# Allegro board A733_PRO2_AXP318_LPDDR4_4X_200BALL_32X1_V1_1.brd (continued)
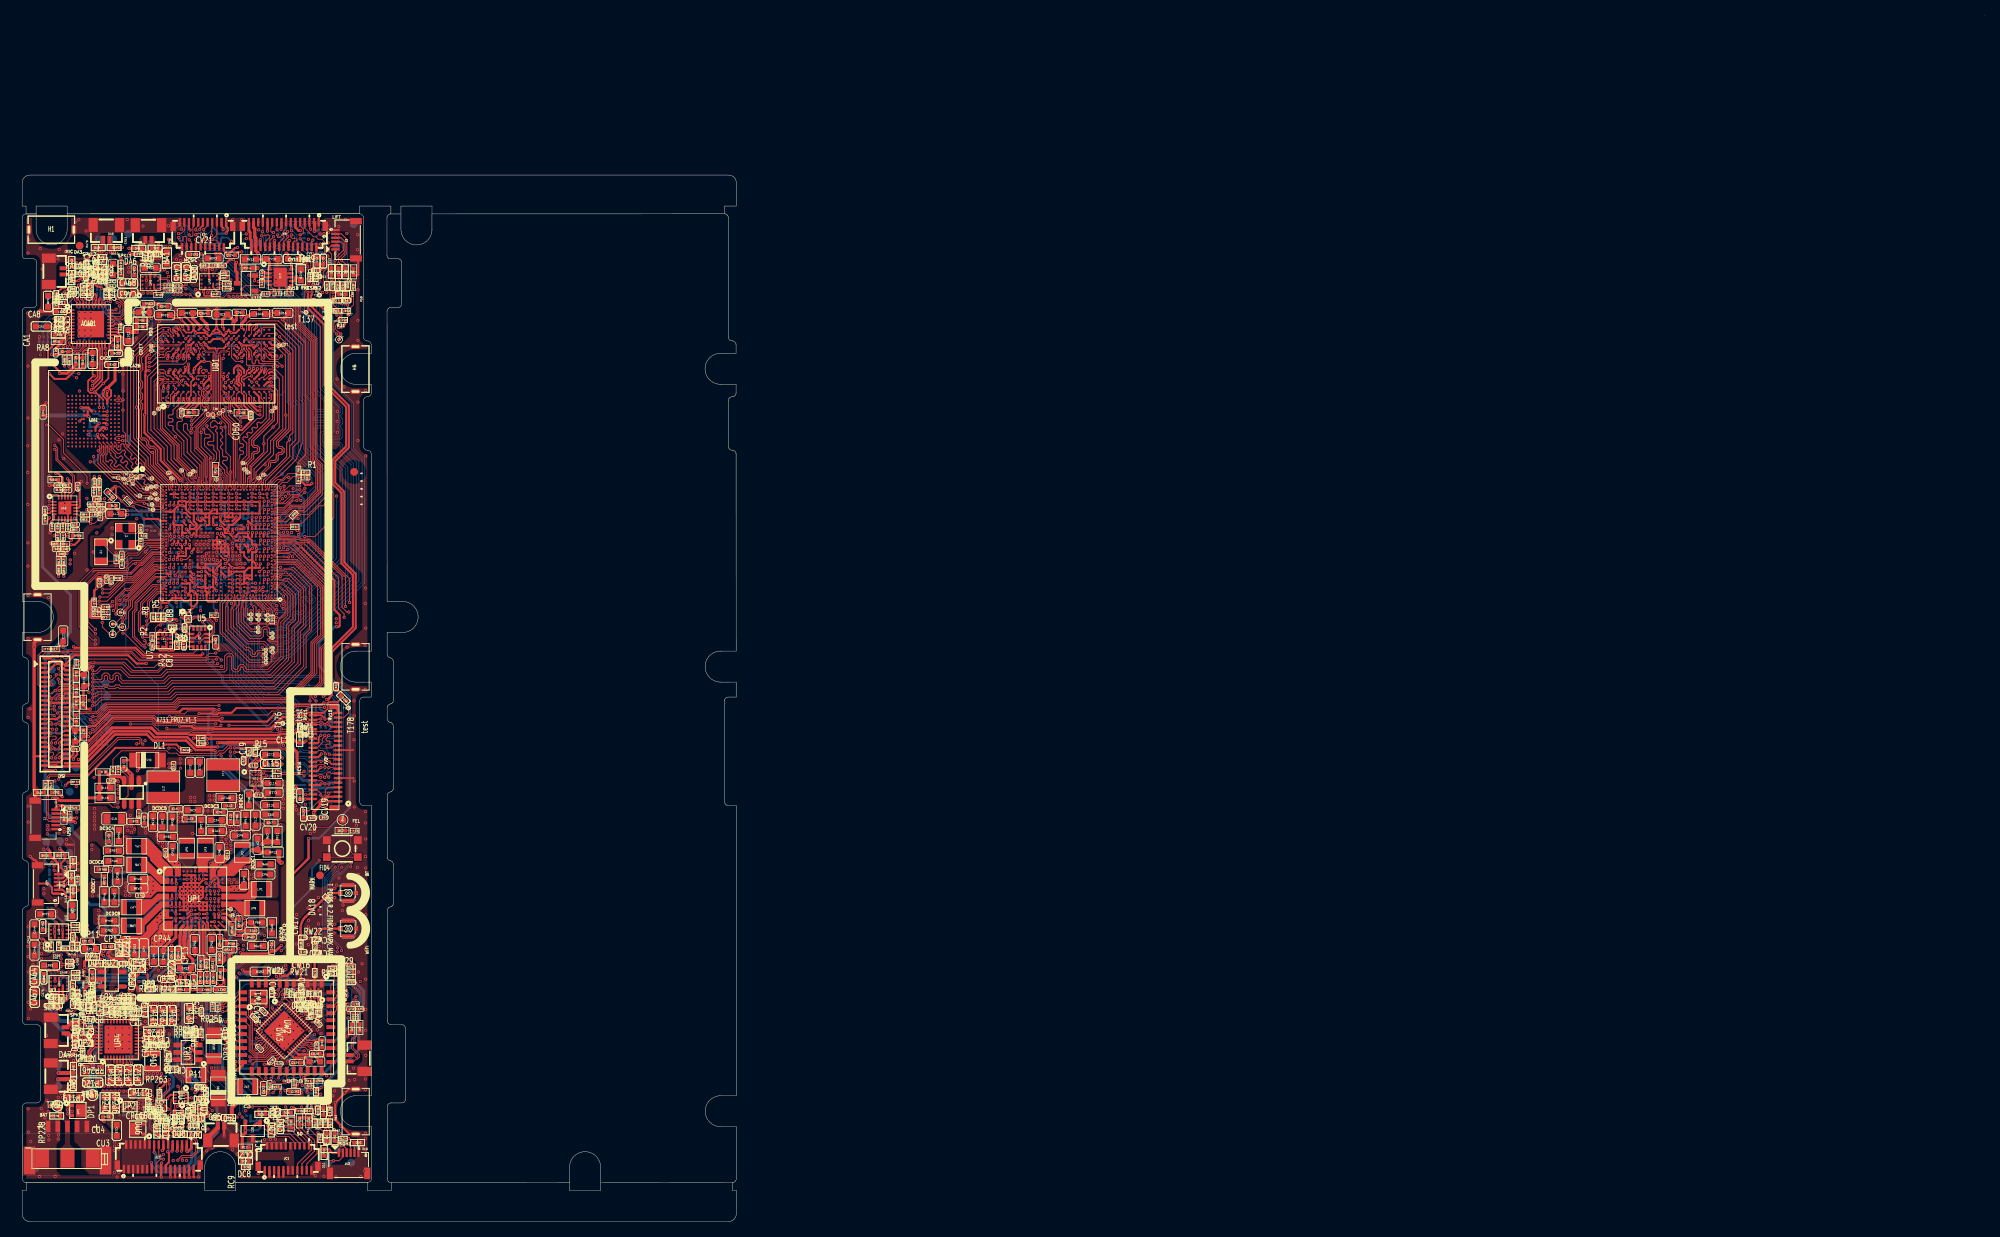
[diagram p0: board, top side]
## Routing (per net, layer and track width the routed paths; a pad name or vN(x,y) marks a point on that pad's centre or on a via; arc(x,y) is an arc through that point) (continued)
MCSIB-D2N: length 83
  TOP w0.076: U1.A12 28.05,80.28 28.05,79.55 27.83,79.34 27.83,79.18 27.91,79.11 27.91,79.09
  TOP w0.102: v1(32.41,127.61) 32.19,127.61 32.06,127.74 32.06,128.18 32.23,128.35 JV1.21 ; 27.91,79.09 27.91,77.15 29.52,75.54 30.68,75.54 30.8,75.67 30.8,76.44 31.11,76.74 31.63,76.74 31.9,76.48 31.9,75.82 31.99,75.73 32.14,75.73 v1(32.28,75.86)
  BOTTOM w0.102: T146.1 36.19,119.62 ; 36.19,119.62 36.19,121.78 34.76,123.21 34.76,123.63 35.17,124.04 35.17,124.21 35.05,124.33 34.88,124.33 34.47,123.92 34.05,123.92 33.16,124.81 33.16,125.23 33.35,125.43 33.35,125.59 33.23,125.71 33.07,125.71 32.87,125.52 32.45,125.52 31.9,126.07 31.9,126.98 31.9,126.99 31.9,126.99 31.9,127.1 v1(32.41,127.61) ; 36.19,119.62 36.19,119.3 37.37,118.12 37.37,118.11 37.68,117.8 37.68,107.15 39.91,104.91 39.91,102.1 39.77,101.96 38.71,101.96 38.41,101.66 38.41,100.47 41.69,97.19 41.69,83.39 41.51,83.2 41.34,83.2 40.81,83.73 40.39,83.73 40.09,83.43 40.09,83.01 40.62,82.48 40.62,82.32 40.5,82.2 40.33,82.2 39.81,82.72 39.39,82.72 39.09,82.42 39.09,82 39.61,81.48 39.61,81.31 39.49,81.19 39.32,81.19 38.8,81.72 38.38,81.72 38.08,81.42 38.08,81 38.6,80.47 38.6,80.3 33.94,75.64 32.5,75.64 v1(32.28,75.86)
MCSIB-D2P: length 83.1
  TOP w0.076: 27.6,79.09 27.6,79.11 27.68,79.18 27.68,79.4 27.9,79.62 27.9,80.28 U1.A13
  TOP w0.102: 27.6,79.09 27.6,77.02 29.39,75.24 30.8,75.24 31.11,75.54 31.11,76.31 31.24,76.44 31.51,76.44 31.59,76.35 31.59,75.69 31.86,75.42 32.18,75.42 v1(32.28,75.33) ; JV1.22 31.93,126.58 v1(32.41,127.06)
  BOTTOM w0.102: v1(32.28,75.33) 32.28,75.34 34.07,75.34 38.91,80.18 38.91,80.6 38.38,81.12 38.38,81.29 38.51,81.41 38.67,81.41 39.2,80.89 39.62,80.89 39.92,81.18 39.92,81.6 39.39,82.13 39.39,82.3 39.51,82.42 39.68,82.42 40.2,81.89 40.63,81.89 40.92,82.19 40.92,82.61 40.4,83.14 40.4,83.3 40.52,83.42 40.69,83.42 41.21,82.9 41.63,82.9 41.99,83.26 41.99,97.32 38.72,100.6 38.72,101.53 38.84,101.65 39.9,101.65 40.22,101.97 40.22,105.04 37.98,107.28 37.98,117.93 37.68,118.24 37.68,118.25 36.49,119.43 36.49,121.91 35.29,123.11 ; 35.29,123.11 35.38,123.2 T147.1 ; 35.29,123.11 35.07,123.34 35.07,123.5 35.48,123.91 35.48,124.33 35.18,124.63 34.76,124.63 34.35,124.22 34.18,124.22 33.47,124.94 33.47,125.11 33.66,125.3 33.66,125.72 33.36,126.02 32.94,126.02 32.75,125.83 32.58,125.83 32.21,126.2 32.21,126.86 v1(32.41,127.06)
MCSIB-D3N: length 83
  TOP w0.076: 28.53,79.19 28.53,79.21 28.45,79.28 28.45,79.86 28.57,79.99 U1.B11
  TOP w0.102: 28.53,79.19 28.53,77.49 29.59,76.43 30.3,76.43 30.43,76.55 v1(30.43,76.63) ; v1(30.88,127.19) 31.47,127.19 31.59,127.32 31.74,127.32 31.86,127.2 31.86,126.91 31.33,126.38 JV1.24
  BOTTOM w0.102: v1(30.88,127.19) 31.12,126.95 31.12,125.83 31.49,125.46 31.49,125.3 30.79,124.6 30.79,124.18 31.09,123.88 31.51,123.88 32.21,124.58 32.38,124.58 32.86,124.09 ; T148.1 32.86,124.09 ; 32.86,124.09 34.65,122.3 34.65,121.33 34.95,121.03 35.33,121.03 35.45,120.91 35.45,120.74 35.33,120.63 34.95,120.63 34.65,120.33 34.65,119.81 36.96,117.5 36.96,106.84 37.41,106.4 37.41,106.4 37.66,106.15 37.66,104.79 37.96,104.5 39.09,104.5 39.2,104.39 39.2,104.2 39.09,104.09 37.95,104.09 37.66,103.81 37.66,103.36 37.95,103.07 39.09,103.07 39.2,102.96 39.2,102.78 39.11,102.68 37.97,102.68 37.66,102.37 37.66,100.2 40.98,96.89 40.98,85.42 36.92,81.36 36.92,80.94 37.49,80.37 37.49,80.2 37.37,80.08 37.2,80.08 36.63,80.65 36.21,80.65 35.82,80.26 35.82,79.67 36.3,79.19 36.3,79.01 35.86,78.58 35.7,78.58 35.53,78.75 35.11,78.75 34.81,78.45 34.81,78.03 34.98,77.86 34.98,77.69 34.86,77.57 34.69,77.57 34.52,77.74 34.1,77.74 33.8,77.44 33.8,77.02 33.97,76.85 33.97,76.68 33.85,76.56 33.68,76.56 33.51,76.73 33.09,76.73 32.9,76.54 31.81,76.54 31.63,76.36 30.59,76.36 30.43,76.52 v1(30.43,76.63)
MCSIB-D3P: length 82.9
  TOP w0.076: U1.B12 28.42,80.55 28.42,80.05 28.3,79.92 28.3,79.28 28.22,79.21 28.22,79.19
  TOP w0.102: v1(30.43,76.06) 30.37,76.12 29.47,76.12 28.22,77.37 28.22,79.19 ; JV1.25 31.03,127.76 v1(30.97,127.7)
  BOTTOM w0.102: v1(30.97,127.7) 31.43,127.24 31.43,126.62 ; v1(30.43,76.06) 31.75,76.06 31.94,76.24 33.03,76.24 33.22,76.43 33.39,76.43 33.56,76.26 33.98,76.26 34.28,76.56 34.28,76.98 34.11,77.15 34.11,77.32 34.22,77.44 34.39,77.44 34.56,77.27 34.98,77.27 35.28,77.56 35.28,77.99 35.11,78.15 35.11,78.32 35.23,78.44 35.4,78.44 35.57,78.27 35.99,78.27 36.6,78.89 36.6,79.32 36.13,79.79 36.13,80.14 36.34,80.35 36.5,80.35 37.07,79.78 37.49,79.78 37.79,80.08 37.79,80.5 37.22,81.07 37.22,81.23 41.28,85.29 41.28,97.01 37.97,100.33 37.97,102.24 38.1,102.37 39.23,102.37 39.51,102.65 39.51,103.09 39.22,103.38 38.07,103.38 37.97,103.48 37.97,103.68 38.07,103.78 39.22,103.78 39.51,104.07 39.51,104.51 39.22,104.8 38.09,104.8 37.97,104.92 37.97,106.27 37.54,106.71 37.53,106.71 37.27,106.97 37.27,117.63 34.96,119.94 34.96,120.2 35.08,120.32 35.46,120.32 35.76,120.62 35.76,121.04 35.46,121.34 35.08,121.34 34.96,121.46 34.96,122.43 32.5,124.88 32.08,124.88 31.39,124.19 31.22,124.19 31.1,124.31 31.1,124.47 31.79,125.17 31.79,125.59 31.43,125.96 31.43,126.62 ; 31.43,126.62 T149.1
MCSIC-CKN: length 69.7
  TOP w0.076: U1.B7 29.94,80.56 29.94,80.2 31.11,79.02 31.11,78.74 31.19,78.66 31.19,78.64
  TOP w0.102: v1(31.64,78.23) 31.64,78.13 31.51,78 31.34,78 31.19,78.15 31.19,78.64 ; v1(22.38,127.32) 22.55,127.48 22.88,127.48 23.01,127.35 JV3.12
  BOTTOM w0.102: v1(22.38,127.32) 22.51,127.44 22.74,127.2 22.74,126.24 23.72,125.26 26.96,125.26 30.12,122.1 32.85,122.1 33.28,121.66 33.28,119.25 33.34,119.19 33.34,119.16 35.61,116.9 35.61,106.29 36.3,105.59 36.3,99.64 39.22,96.72 39.22,94.31 39.2,94.28 39.2,94.28 38.21,93.29 38.21,86.22 32.95,80.96 32.95,80.54 32.13,79.72 32.13,78.21 31.99,78.06 31.81,78.06 v1(31.64,78.23)
MCSIC-CKP: length 69.8
  TOP w0.076: U1.B8 29.78,80.79 29.78,80.13 30.96,78.95 30.96,78.74 30.89,78.66 30.89,78.64
  TOP w0.102: 30.89,78.64 30.89,78 31.26,77.63 v1(31.64,77.63) ; JV3.13 22.71,128.48 22.38,128.15 v1(22.38,127.95)
  BOTTOM w0.102: v1(31.64,77.63) 31.86,77.63 31.98,77.63 32.44,78.08 32.44,79.6 33.26,80.42 33.26,80.83 38.51,86.09 38.51,93.17 39.5,94.16 39.53,94.18 39.53,96.85 36.61,99.77 36.61,105.71 35.91,106.41 35.91,117.03 33.65,119.29 33.65,119.32 33.59,119.38 33.59,121.79 32.98,122.4 30.25,122.4 27.08,125.56 23.84,125.56 23.05,126.36 23.05,127.33 22.59,127.79 22.55,127.79 v1(22.38,127.95)
MCSIC-D0N: length 73.1
  TOP w0.076: 29.04,79.04 29.04,79.06 28.97,79.13 28.97,80.39 U1.A10
  TOP w0.102: 29.04,79.04 29.04,78.26 29.14,78.16 29.35,78.16 v1(29.5,78.31) ; v1(21.53,127.3) 21.53,127.26 21.71,127.08 21.89,127.08 22.02,127.21 22.02,128.31 22.11,128.4 JV3.15
  BOTTOM w0.102: v1(29.5,78.31) 29.56,78.25 29.74,78.25 29.86,78.37 29.86,79.42 31.59,81.15 31.59,82.15 32.42,82.98 32.42,83.3 33.04,83.92 34.01,83.92 36.79,86.7 36.79,93.9 37.8,94.92 37.8,96.11 34.86,99.06 34.86,105 34.18,105.68 34.18,116.29 32.32,118.16 31.15,118.16 26.1,123.21 22.46,123.21 19.41,126.26 19.41,128.19 19.95,128.73 20.96,128.73 21.28,128.41 21.28,127.56 v1(21.53,127.3)
MCSIC-D0P: length 73.1
  TOP w0.076: U1.B10 28.74,80.56 28.74,80.27 28.81,80.19 28.81,79.13 28.74,79.06 28.74,79.04
  TOP w0.102: v1(21.53,126.67) 21.81,126.4 JV3.16 ; v1(29.5,77.7) 29.35,77.86 29.02,77.86 28.74,78.14 28.74,79.04
  BOTTOM w0.102: v1(21.53,126.67) 21.53,126.76 20.98,127.32 20.98,128.28 20.84,128.42 20.07,128.42 19.72,128.07 19.72,126.39 22.59,123.52 26.22,123.52 31.28,118.46 32.44,118.46 34.49,116.42 34.49,105.8 35.16,105.13 35.16,99.19 38.11,96.24 38.11,94.79 37.09,93.78 37.09,86.58 34.13,83.62 33.17,83.62 32.72,83.17 32.72,82.85 31.9,82.03 31.9,81.03 30.17,79.29 30.17,78.25 29.78,77.86 29.65,77.86 v1(29.5,77.7)
MCSIC-D1N: length 69.4
  TOP w0.076: 29.91,79.47 29.9,79.48 29.79,79.48 29.61,79.66 29.61,80.56 29.37,80.8 U1.B9
  TOP w0.102: JV3.18 21.21,126.36 21.17,126.4 21.17,127 21.06,127.1 20.87,127.1 20.75,126.97 20.75,126.62 20.64,126.52 20.35,126.52 20.19,126.68 v1(20.19,126.96) ; v1(30.5,78.28) 30.5,78.18 30.4,78.08 30.25,78.08 30.15,78.18 30.15,79.23 29.91,79.47
  BOTTOM w0.102: v1(20.19,126.96) 20.26,126.96 20.39,126.83 20.39,126.44 22.87,123.96 26.35,123.96 31.45,118.87 32.62,118.87 34.89,116.6 34.89,105.98 35.59,105.28 35.59,99.34 38.51,96.42 38.51,94.61 37.5,93.6 37.5,86.52 32.19,81.22 32.19,80.84 30.96,79.61 30.96,78.54 30.97,78.53 30.97,78.23 30.84,78.1 30.68,78.1 v1(30.5,78.28)
MCSIC-D1P: length 69.3
  TOP w0.076: 29.69,79.25 29.68,79.27 29.68,79.38 29.46,79.59 29.46,80.3 29.44,80.32 29.44,80.33 U1.A9
  TOP w0.102: v1(30.5,77.68) 30.4,77.78 30.12,77.78 29.84,78.06 29.84,79.1 29.69,79.25 ; JV3.19 20.91,128.45 20.98,128.38 20.98,127.93 20.56,127.51 20.2,127.51 v1(20.16,127.47)
  BOTTOM w0.102: v1(30.5,77.68) 30.62,77.8 30.97,77.8 31.27,78.1 31.27,78.66 31.27,78.66 31.27,79.48 32.49,80.71 32.49,81.09 37.8,86.4 37.8,93.47 38.74,94.41 38.82,94.49 38.82,96.54 35.9,99.46 35.9,105.41 35.2,106.11 35.2,116.72 32.75,119.18 31.57,119.18 26.48,124.27 22.99,124.27 20.7,126.57 20.7,127 20.23,127.47 v1(20.16,127.47)
MIC1N-MIC: length 7
  TOP w0.102: RA101.1 42.65,25.62 DA2.2 42.92,25.02 42.92,24 42.48,23.56 42.48,22.31 43.26,21.53 43.26,21.27 43.15,21.16 43.05,21.16 42.75,21.46 JA1.2
MIC1P-MIC: length 7.3
  TOP w0.102: JA1.1 42.75,20.66 43.05,20.96 43.24,20.96 43.47,21.19 43.47,21.61 42.68,22.39 42.68,23.47 43.12,23.91 43.12,25.06 DA1.2 43.26,25.74 RA100.1
MIC2N/MIC3N: length 12.6
  TOP w0.102: UA1.39 7.46,118.68 v1(7.11,119.04) ; v1(10.78,120.86) 10.61,121.03 RA80.2 RA78.2
  L3 w0.102: v1(10.78,120.86) 10.78,122.44 11.2,122.86 11.75,122.86 11.91,122.7 11.91,120.48 11.24,119.81 7.8,119.81 7.55,119.56 7.55,119.48 v1(7.11,119.04)
MIC2N/MIC3N-1: length 0.7
  TOP w0.102: CA22.1 9.63,121.92 RA78.1
MIC2N/MIC3N-MIC: length 1.8
  TOP w0.102: RA103.1 7.1,122.19 DA4.2 JA2.2
MIC2P/MIC3P: length 12.7
  TOP w0.102: RA77.2 RA79.2 10.6,124.57 v1(10.9,124.88) ; UA1.37 8.26,118.93 8.15,119.05 v1(8.15,119.06)
  L3 w0.102: v1(10.9,124.88) 10.9,123.41 11.25,123.06 11.83,123.06 12.11,122.78 12.11,120.39 11.32,119.61 7.88,119.61 7.75,119.48 7.75,119.46 v1(8.15,119.06)
MIC2P/MIC3P-1: length 0.7
  TOP w0.102: RA77.1 9.61,123.81 CA19.1
MIC2P/MIC3P-MIC: length 1.9
  TOP w0.102: JA2.1 6.2,122.99 DA3.2 7.08,123.19 RA102.1
MIC-GND-SEL: length 102
  TOP w0.076: UU2.B2 23.45,14.67 24.15,14.67 v1(24.51,14.31)
  TOP w0.102: U1.AN1 32.98,93.2 33.98,94.19 34.18,94.19 34.22,94.23 34.5,94.23 34.54,94.19 35.15,94.19 35.36,94.41 v1(35.78,94.41)
  L3 w0.102: v1(35.78,94.41) 36.32,94.94 36.59,94.94 37.12,94.42 37.12,90.18 37.72,89.58 37.72,76.69 35.97,74.94 35.97,70.67 34.75,69.46 34.75,64.81 35.54,64.02 35.54,59.52 34.85,58.83 34.85,57.33 35.59,56.58 35.59,55.83 35.42,55.65 35.42,54.06 36.08,53.41 36.08,52.11 31.39,47.42 31.39,43.47 30.5,42.58 30.5,39.08 29.65,38.23 29.65,36.77 v1(28.52,35.64)
  L4 w0.102: v1(29.18,14.72) 29.15,14.69 26.58,14.69 26.2,14.31 v1(24.51,14.31)
  BOTTOM w0.102: v1(28.52,35.64) 28.61,35.64 28.9,35.34 28.9,33.64 27.1,31.84 27.1,29.84 26.47,29.22 25.13,29.22 24.77,28.87 24.77,21.63 25.39,21 25.39,19.46 28.86,15.99 28.86,15.04 v1(29.18,14.72)
MICIN1N: length 2.8
  TOP w0.102: UA1.1 6.04,117.58 5.88,117.74 5.88,118.38 6.45,118.95 6.45,119.31 6.69,119.55 CA9.1
MICIN1N-AC107: length 0.9
  TOP w0.102: RA82.1 4.71,89.94 UA6.6
MICIN1P: length 2.4
  TOP w0.102: UA1.40 7.06,118.55 6.75,118.86 6.75,119.18 7.04,119.48 7.04,119.93 6.69,120.28 CA6.1
MICIN1P-AC107: length 0.9
  TOP w0.102: RA81.1 5.11,89.95 UA6.7
MICIN2N-AC107: length 1.2
  TOP w0.102: RA84.1 7.42,91.66 UA6.12
MICIN2P-AC107: length 1.3
  TOP w0.102: UA6.11 7.16,91.26 RA83.1
MIPI-DSI0-CKN: length 59.7
  TOP w0.076: U1.G2 32.42,83.05 33,83.05 33.19,82.86 33.66,82.86 33.74,82.93 33.76,82.93
  TOP w0.102: 33.76,82.93 34.38,82.93 35.92,81.39 35.92,77.34 35.08,76.5 35.08,72.18 32.37,69.47 19.36,69.47 18.64,68.74 12.57,68.74 12.39,68.92 12.18,68.92 12,68.74 11.17,68.74 10.98,68.94 10.7,68.94 10.51,68.74 9.27,68.74 v1(9.1,68.58) ; JL1.32 5.22,62.73 4.39,61.9 4.39,61.82 v1(4.3,61.73)
  L4 w0.102: v1(4.3,61.73) 4.3,61.95 4.19,62.07 4.19,62.18 4.29,62.28 5.12,62.28 7.01,64.17 7.01,67.12 8.25,68.36 8.25,68.41 8.47,68.63 9.05,68.63 v1(9.1,68.58)
  BOTTOM w0.102: v1(9.1,68.58) 9.48,68.2 9.48,65.76 10.09,65.15 10.09,64.79 11.13,63.75 TP73.1
MIPI-DSI0-CKP: length 59.4
  TOP w0.076: U1.G1 32.67,82.9 32.94,82.9 33.13,82.7 33.66,82.7 33.74,82.63 33.76,82.63
  TOP w0.102: v1(3.79,61.73) 3.79,62.05 3.92,62.18 4.24,62.18 4.39,62.33 4.39,62.51 4.27,62.62 3.37,62.62 3.18,62.43 JL1.33 ; v1(9.08,69.09) 9.11,69.05 10.38,69.05 10.58,69.24 11.11,69.24 11.3,69.05 11.87,69.05 12.05,69.23 12.52,69.23 12.7,69.05 18.51,69.05 19.24,69.77 32.24,69.77 34.78,72.31 34.78,76.63 35.62,77.47 35.62,81.27 34.26,82.63 33.76,82.63
  L4 w0.102: v1(9.08,69.09) 9.05,69.09 8.87,68.91 8.35,68.91 7.97,68.53 7.97,68.5 7.93,68.46 7.93,68.44 6.73,67.23 6.73,64.29 5,62.56 4.17,62.56 3.91,62.3 3.91,62.07 3.79,61.95 v1(3.79,61.73)
  BOTTOM w0.102: TP72.1 10.79,64.68 10.64,64.68 10.4,64.92 10.4,65.28 9.79,65.89 9.79,68.32 9.5,68.61 9.5,68.68 9.1,69.09 v1(9.08,69.09)
MIPI-DSI0-DN0: length 55.5
  TOP w0.076: U1.E2 32.36,82 32.36,82 32.75,82 33.21,82 33.81,81.4 33.92,81.4 33.93,81.39
  TOP w0.102: v1(9.09,70.62) 9.16,70.69 9.63,70.69 10.18,71.23 12.68,71.23 13.75,70.17 17.99,70.17 18.7,70.88 18.73,70.88 18.75,70.9 26.1,70.9 26.41,71.21 26.41,72.82 26.54,72.95 26.86,72.95 26.98,72.83 26.98,71.23 27.29,70.92 27.82,70.92 28.12,71.21 28.12,71.42 28.23,71.54 28.4,71.54 28.52,71.42 28.52,71.21 28.82,70.92 31.81,70.92 33.66,72.77 33.66,77.18 34.55,78.08 34.55,80.77 33.93,81.39 ; JL1.26 4.72,64.53 v1(4.35,64.16)
  L4 w0.102: v1(4.35,64.16) 4.7,64.52 5.34,64.52 5.63,64.81 5.63,69.04 7.07,70.47 8.85,70.47 9,70.62 v1(9.09,70.62)
  BOTTOM w0.102: TP68.1 10.44,69.4 9.32,70.52 9.2,70.52 v1(9.09,70.62)
MIPI-DSI0-DN1: length 58.3
  TOP w0.076: 34.39,81.75 34.37,81.76 34.26,81.76 33.63,82.4 U1.F1
  TOP w0.102: v1(9.09,69.61) 9.17,69.61 9.17,69.61 10.3,69.61 10.59,69.91 10.59,70.34 10.71,70.46 10.88,70.46 11,70.34 11,69.91 11.3,69.61 11.72,69.61 12.02,69.91 12.02,70.34 12.14,70.46 12.3,70.46 12.42,70.34 12.42,69.91 12.87,69.46 18.32,69.46 19.06,70.19 32.09,70.19 34.37,72.48 34.37,76.83 35.22,77.69 35.22,80.91 34.39,81.75 ; v1(3.93,63.51) 3.82,63.63 JL1.29
  L4 w0.102: v1(3.93,63.51) 3.93,63.5 4.42,63.02 4.86,63.02 6.32,64.48 6.32,68.74 6.39,68.81 6.56,68.81 6.93,68.45 7.33,68.45 7.61,68.73 7.61,69.13 7.24,69.5 7.24,69.67 7.36,69.79 8.95,69.79 9.08,69.66 9.08,69.62 v1(9.09,69.61)
  BOTTOM w0.102: v1(9.09,69.61) 9.17,69.61 10.22,68.55 10.22,66.62 TP71.1
MIPI-DSI0-DN2: length 56.3
  TOP w0.076: U1.J2 32.42,83.36 32.91,83.36 33.07,83.52 33.48,83.52 33.61,83.39 34.48,83.39 34.55,83.31 34.56,83.31
  TOP w0.102: 34.56,83.31 34.56,83.31 36.28,81.59 36.28,76.95 35.56,76.23 35.56,72.08 32.51,69.02 19.5,69.02 18.82,68.34 9.7,68.34 9.43,68.07 v1(9.09,68.07) ; v1(4.24,60.95) 4.14,61.05 4.14,61.11 3.92,61.34 3.64,61.34 3.15,61.83 JL1.35
  L4 w0.102: v1(9.09,68.07) 8.91,67.89 8.36,67.89 7.41,66.94 7.41,63.75 5.04,61.38 4.66,61.38 v1(4.24,60.95)
  BOTTOM w0.102: v1(4.24,60.95) 4.62,60.57 5.32,60.57 TP74.1
MIPI-DSI0-DN3: length 61.4
  TOP w0.076: U1.K2 32.24,84 32.48,84.24 32.74,84.24 32.91,84.07 33.59,84.07 33.8,84.29 34.67,84.29 34.74,84.37 34.75,84.37
  TOP w0.102: 34.75,84.37 35.01,84.37 37.33,82.04 37.33,76.27 36.61,75.54 36.61,71.53 33.06,67.98 19.91,67.98 19.25,67.32 10.23,67.32 9.51,66.6 9.14,66.6 9.09,66.55 v1(9.09,66.55) ; JL1.38 5.39,60.93 4.96,60.5 4.82,60.5 4.47,60.16 4.47,60.16 4.27,59.97 v1(4.27,59.82)
  L4 w0.102: v1(9.09,66.55) 9.06,66.58 8.71,66.58 8.38,66.24 8.38,63.35 5.44,60.41 5.44,60.41 5.25,60.22 4.67,60.22 4.43,59.98 4.43,59.97 v1(4.27,59.82)
  BOTTOM w0.102: v1(4.27,59.82) 4.27,59.74 5.46,58.56 TP76.1
MIPI-DSI0-DP0: length 54.3
  TOP w0.076: U1.D2 32.17,81.66 32.36,81.85 32.82,81.85 33.15,81.85 33.72,81.28 33.72,81.17
  TOP w0.102: JL1.27 3.18,64.23 3.46,64.51 3.75,64.51 3.84,64.43 v1(3.84,64.16) ; 33.72,81.17 34.25,80.64 34.25,78.21 33.35,77.31 33.35,72.89 31.68,71.22 28.95,71.22 28.83,71.34 28.83,71.55 28.53,71.84 28.11,71.84 27.81,71.55 27.81,71.34 27.69,71.22 27.42,71.22 27.28,71.36 27.28,72.96 26.98,73.25 26.41,73.25 26.11,72.95 26.11,71.34 25.98,71.21 18.63,71.21 18.6,71.18 18.58,71.18 17.86,70.47 13.88,70.47 12.81,71.54 10.05,71.54 9.51,70.99 9.23,70.99 v1(9.09,71.13)
  L4 w0.102: v1(3.84,64.16) 3.84,64.3 4.33,64.8 5.23,64.8 5.35,64.92 5.35,69.15 6.95,70.75 8.73,70.75 8.73,70.76 8.73,70.76 8.9,70.93 8.9,70.94 9.09,71.13 v1(9.09,71.13)
  BOTTOM w0.102: TP69.1 8.61,71.61 v1(9.09,71.13)
MIPI-DSI0-DP1: length 57.5
  TOP w0.076: 34.17,81.53 34.16,81.55 34.16,81.65 33.56,82.25 32.85,82.25 32.76,82.16 32.41,82.16 U1.F2
  TOP w0.102: v1(9.09,70.11) 9.29,69.91 10.17,69.91 10.29,70.03 10.29,70.47 10.59,70.76 11.01,70.76 11.31,70.47 11.31,70.03 11.42,69.91 11.59,69.91 11.71,70.03 11.71,70.47 12.01,70.76 12.43,70.76 12.73,70.47 12.73,70.03 13,69.76 18.19,69.76 18.93,70.5 31.96,70.5 34.07,72.6 34.07,76.96 34.92,77.81 34.92,80.78 34.17,81.53 ; JL1.30 5.4,63.33 4.99,62.91 4.47,62.91 4.34,63.04 4.34,63.41 v1(4.44,63.51)
  L4 w0.102: v1(4.44,63.51) 4.44,63.39 4.53,63.3 4.74,63.3 6.04,64.59 6.04,68.86 6.28,69.09 6.68,69.09 7.04,68.73 7.21,68.73 7.33,68.84 7.33,69.01 6.96,69.38 6.96,69.78 7.25,70.06 9.02,70.06 9.02,70.06 9.07,70.11 v1(9.09,70.11)
  BOTTOM w0.102: TP70.1 10.94,68.26 9.29,69.91 9.29,69.97 9.15,70.11 v1(9.09,70.11)
MIPI-DSI0-DP2: length 56
  TOP w0.076: 34.54,83.62 34.46,83.54 34.26,83.54 34.16,83.64 34.16,83.79 34.07,83.88 33.95,83.88 33.86,83.79 33.86,83.66 33.77,83.57 33.64,83.57 33.54,83.67 33.01,83.67 32.84,83.51 32.66,83.51 U1.J1
  TOP w0.102: 34.54,83.62 34.68,83.62 36.58,81.71 36.58,76.82 35.87,76.1 35.87,71.95 32.63,68.72 19.63,68.72 18.94,68.03 9.82,68.03 9.56,67.77 9.3,67.77 v1(9.1,67.56) ; JL1.36 5.11,61.53 4.96,61.38 4.87,61.38 4.74,61.25 v1(4.74,60.95)
  L4 w0.102: v1(4.74,60.95) 4.89,61.1 5.15,61.1 7.69,63.64 7.69,66.82 8.48,67.61 9.05,67.61 v1(9.1,67.56)
  BOTTOM w0.102: v1(4.74,60.95) 4.92,60.95 TP75.1
MIPI-DSI0-DP3: length 60.6
  TOP w0.076: 34.82,84.06 34.75,84.06 34.68,84.14 33.87,84.14 33.65,83.92 32.84,83.92 32.76,84 U1.K1
  TOP w0.102: v1(9.11,67.05) 9.27,66.9 9.38,66.9 10.1,67.63 19.12,67.63 19.78,68.29 32.94,68.29 36.3,71.65 36.3,75.67 37.03,76.39 37.03,81.92 34.89,84.06 34.82,84.06 ; v1(3.76,59.83) 3.77,59.84 3.77,59.94 4.07,60.25 4.07,60.43 3.94,60.55 3.61,60.55 3.53,60.63 JL1.39
  L4 w0.102: v1(9.11,67.05) 8.89,66.86 8.6,66.86 8.1,66.36 8.1,63.46 5.33,60.69 5.33,60.69 5.14,60.5 4.47,60.5 4.29,60.32 4.11,60.32 3.93,60.5 3.72,60.5 3.59,60.37 3.59,60 v1(3.76,59.83)
  BOTTOM w0.102: v1(3.76,59.83) 5.18,58.41 TP77.1
MIPI-LCD-ID0: length 50.1
  TOP w0.102: v1(24.96,64.22) 22.28,64.22 22.04,64.47 20.07,64.47 19.84,64.24 17.29,64.24 16.78,64.74 11.81,64.74 8.54,61.48 v1(8.31,61.48) ; v1(4.12,65.28) 3.97,65.43 JL1.23
  TOP w0.114: v1(31.24,83.85) 31.11,83.72 31.11,83.37 U1.1E2
  L4 w0.102: v1(31.24,83.85) 31.24,83.83 32.09,82.98 32.09,80.83 31.22,79.97 29.88,79.97 28.73,78.83 28.73,72.38 25.74,69.38 25.74,65.9 24.96,65.12 v1(24.96,64.22)
  BOTTOM w0.102: v1(8.31,61.48) 8.17,61.62 8.15,61.62 6.45,63.32 RL19.2 6.28,63.55 5.32,64.51 RL22.1 5.25,64.84 4.56,64.84 v1(4.12,65.28)
MIPI-LCD-ID1: length 48.2
  TOP w0.102: v1(8.8,63.04) 9.2,63.04 11.46,65.3 17.04,65.3 17.55,64.79 19.59,64.79 19.82,65.02 22.5,65.02 22.59,64.93 v1(25.79,64.93) ; JL1.22 4.98,65.73 4.95,65.76 4.74,65.76 4.59,65.61 v1(4.54,65.61)
  TOP w0.114: v1(31.75,83.85) 31.61,83.71 31.61,83.37 U1.1E1
  L4 w0.102: v1(31.75,83.85) 32.39,83.21 32.39,80.73 31.34,79.68 29.88,79.68 29,78.8 29,72.21 25.94,69.15 25.94,65.09 v1(25.79,64.93)
  BOTTOM w0.102: v1(4.54,65.61) 5.07,65.61 5.18,65.49 5.73,65.49 RL23.1 6.6,64.73 8.14,63.19 RL20.2 8.69,63.14 v1(8.8,63.04)
MIPI-LCD-ID2: length 47.6
  TOP w0.102: JL1.21 3.46,66.03 3.54,66.12 4.07,66.12 4.17,66.01 4.17,66 v1(4.19,65.99) ; v1(25.38,66.06) 25.37,66.06 25.01,65.71 24.71,65.71 24.53,65.89 21.34,65.89 20.96,65.51 11.37,65.51 9.33,63.46 v1(9.1,63.46)
  TOP w0.114: v1(31.24,82.85) 31.11,82.72 31.11,82.37 U1.1C2
  L4 w0.102: v1(25.38,66.06) 25.03,66.42 25.03,69.51 28.23,72.71 28.23,78.94 29.87,80.58 30.94,80.58 31.47,81.1 31.47,82.63 v1(31.24,82.85)
  BOTTOM w0.102: RL18.1 9.63,62.94 9.26,63.31 9.25,63.31 v1(9.1,63.46) 8.16,63.46 6.8,64.82 6.8,64.95 6.78,64.97 6.78,65.09 6.69,65.18 6.69,65.19 RL21.2 6.07,65.81 5.17,65.81 4.99,66 4.2,66 v1(4.19,65.99)
OVP-INT: length 124.9
  TOP w0.102: UP2.B1 12.9,14.81 v1(12.89,14.8) ; v1(33.78,94.88) 33.76,94.87 33.76,94.48 33.25,93.97 32.55,93.97 U1.AP2
  L4 w0.102: v1(33.78,94.88) 33.78,93.95 33.22,93.39 33.22,93.12 34.11,92.23 36.57,92.23 40.08,88.72 40.08,74.97 39.05,73.94 39.05,69.33 38.48,68.76 38.48,66.33 39.04,65.77 39.51,65.77 39.95,65.34 39.95,56.29 39.51,55.84 39.16,55.84 38.87,55.55 38.87,54.85 38.42,54.41 38.42,53.54 39.62,52.35 39.62,35.48 39.17,35.04 39.17,33.74 41.45,31.46 41.45,30.73 42.2,29.98 42.2,28.95 42.46,28.69 42.46,23.01 40.16,20.71 40.16,18.38 38.55,16.76 38.34,16.76 38.13,16.56 38.13,16.28 37.66,15.81 37.66,13.09 34.55,9.98 18.11,9.98 13.29,14.8 v1(12.89,14.8)
  BOTTOM w0.102: v1(12.89,14.8) 13.05,14.96 RP234.2
PA-VDD-L:
  vias: v1(17.81,122.86) v1(18.35,122.83) v1(24.98,124.89) v1(25.48,124.9)
PA-VDD-R: length 5.6
  TOP w0.254: v1(5.84,29.3) 5.84,28.67 5.65,28.48 RA98.1
  BOTTOM w0.254: v1(4.36,39.46) 5.04,38.78 RA95.1 ; v1(5.84,29.3) 5.84,31.21 5.03,32.03
  vias: v1(4.12,32.46) v1(4.39,39.98) v1(4.66,32.37)
PCIE-REXT: length 1.3
  TOP w0.102: v1(22.17,81.86) 22.62,82.31 U1.1C19
  BOTTOM w0.102: v1(22.17,81.86) 22.61,81.42 R66.2
PMU-PWRON: length 163.8
  TOP w0.114: R53.1 38.44,11.19 v1(38.15,11.48) ; RP244.2 7.67,28.19 v1(7.67,28.51) ; R29.1 39.28,119.88 v1(39.28,119.88) ; UP1.G13 24.82,42.6 v1(24.78,42.63)
  L3 w0.114: v1(39.28,119.88) 39.28,95.05 38.54,94.31 38.54,76.2 37.02,74.67 37.02,70 35.97,68.96 35.97,64.86 37.02,63.81 37.02,54.65 37.26,54.4 37.26,53.28 36.95,52.97 36.95,51.61 32.37,47.03 32.37,43.25 31.39,42.28 31.39,38.62 30.87,38.1 30.87,36.66 v1(31.24,36.3)
  L4 w0.114: v1(24.78,42.63) 24.78,42.41 25.07,42.13 25.96,42.13 28.67,39.42 v1(28.67,39.08)
  BOTTOM w0.114: 23.2,31.1 17.3,31.1 16.61,30.4 14.8,30.4 14.71,30.49 9.51,30.49 9.09,30.07 7.98,30.07 7.53,29.62 7.53,28.65 v1(7.67,28.51) ; 23.2,31.1 23.2,31.1 23.2,24.42 22.7,23.93 22.7,23.1 23.32,22.48 23.32,21.61 23.86,21.08 23.86,19.48 26.99,16.34 26.99,12.77 28.54,11.23 37.89,11.23 v1(38.15,11.48) ; 23.2,31.1 24.12,31.1 25.96,32.94 26.16,32.94 27.11,33.9 27.11,35.97 27.49,36.35 30.64,36.35 30.69,36.3 v1(31.24,36.3) 31.62,36.68 31.62,37.49 30.03,39.08 v1(28.67,39.08) ; CP10.2 25.16,42.2 24.89,42.47 24.89,42.53 v1(24.78,42.63)
PMU-SCK: length 103
  TOP w0.076: U1.M37 18.14,84.8 18.04,84.71 17.44,84.71 17.41,84.74 17.39,84.74
  TOP w0.102: v1(17.38,29.88) 17.17,30.1 16.87,30.1 RP10.2 ; UP1.J13 24.82,41.65 v1(24.81,41.66)
  TOP w0.114: 17.39,84.74 16.9,84.74 13.81,81.65 13.24,81.65 12.01,80.42 12.01,79.62 12.02,79.6 12.02,79.08 v1(11.77,78.83) ; v1(9.38,25.07) 9.55,25.07 9.72,24.89 UP4.32
  L4 w0.102: v1(17.38,29.88) 17.56,30.01 17.67,30 17.72,30 17.94,29.77 20.01,29.77 21.02,30.78 22.84,30.78 23.84,31.79 26.37,31.79 29.08,34.49 29.08,36.12 28.77,36.42 27.52,36.42 27.16,36.79 27.16,39.72 25.59,41.29 24.76,41.29 24.66,41.39 24.65,41.49 v1(24.81,41.66)
  L4 w0.114: v1(10.44,29.62) 10.44,29.68 10.57,29.82 10.57,30.17 11.39,30.99 11.39,34.84 11.12,35.1 11.12,37.43 10.75,37.79 10.75,40.87 10.46,41.16 10.46,48.59 11.55,49.68 11.55,56.81 13.32,58.57 13.32,74.71 12.35,75.68 12.35,76.57 11.99,76.94 11.99,77.95 11.54,78.4 11.54,78.6 v1(11.77,78.83)
  BOTTOM w0.114: v1(9.38,25.07) 7.81,26.64 7.81,27.3 8.58,28.07 8.58,28.7 9.66,29.77 10.33,29.77 10.44,29.65 v1(10.44,29.62) 10.84,29.22 11.16,29.22 11.29,29.35 12.06,29.35 12.76,28.65 15.62,28.65 17,30.03 17.3,30.03 17.38,29.96 v1(17.38,29.88)
PMU-SDA: length 103.2
  TOP w0.076: U1.M36 18.51,84.8 18.27,84.55 17.44,84.55 17.41,84.52 17.39,84.52
  TOP w0.102: v1(24.28,41.64) 24.32,41.6 UP1.J12 ; RP9.2 16.92,30.39 v1(17.46,30.39)
  TOP w0.114: 17.39,84.52 16.99,84.52 13.9,81.43 13.33,81.43 12.22,80.33 12.22,79.7 12.24,79.69 12.24,78.66 12.1,78.52 v1(12.1,78.37) ; v1(9.37,24.56) 9.48,24.56 9.55,24.49 UP4.33
  L4 w0.102: v1(17.46,30.39) 17.59,30.21 17.69,30.2 17.8,30.2 18.03,29.97 19.92,29.97 20.94,30.99 22.75,30.99 23.76,31.99 26.29,31.99 28.87,34.58 28.87,36.03 28.69,36.22 27.44,36.22 26.96,36.7 26.96,39.64 25.51,41.08 24.67,41.08 24.46,41.3 24.45,41.48 v1(24.28,41.64)
  L4 w0.114: v1(12.1,78.37) 12.1,78.24 12.2,78.14 12.2,77.03 12.57,76.66 12.57,75.77 13.53,74.8 13.53,58.48 11.77,56.72 11.77,49.59 10.68,48.5 10.68,41.25 10.97,40.95 10.97,37.88 11.34,37.52 11.34,35.19 11.6,34.93 11.6,30.9 10.79,30.09 10.79,29.83 v1(10.95,29.67)
  BOTTOM w0.114: v1(9.37,24.56) 9.01,24.92 9.01,25.12 7.75,26.38 7.75,26.39 7.6,26.55 7.6,27.39 8.37,28.16 8.37,28.79 9.57,29.98 10.64,29.98 v1(10.95,29.67) 11.06,29.57 12.15,29.57 12.85,28.87 15.53,28.87 16.91,30.25 17.3,30.25 17.44,30.39 v1(17.46,30.39)
POWKEY: length 7.3
  TOP w0.114: J2.2 39.86,125.92 39.42,125.47 39.42,125.29 v1(39.45,125.26) 39.9,124.81 39.9,123.06 D5.2 39.86,123.02 39.86,122.93 39.58,122.66 39.52,122.66 39.28,122.42 R29.2